# Altium PCB MCU023_MSP-EXP432E401Y.PcbDoc (part 1 of 4) (continued)
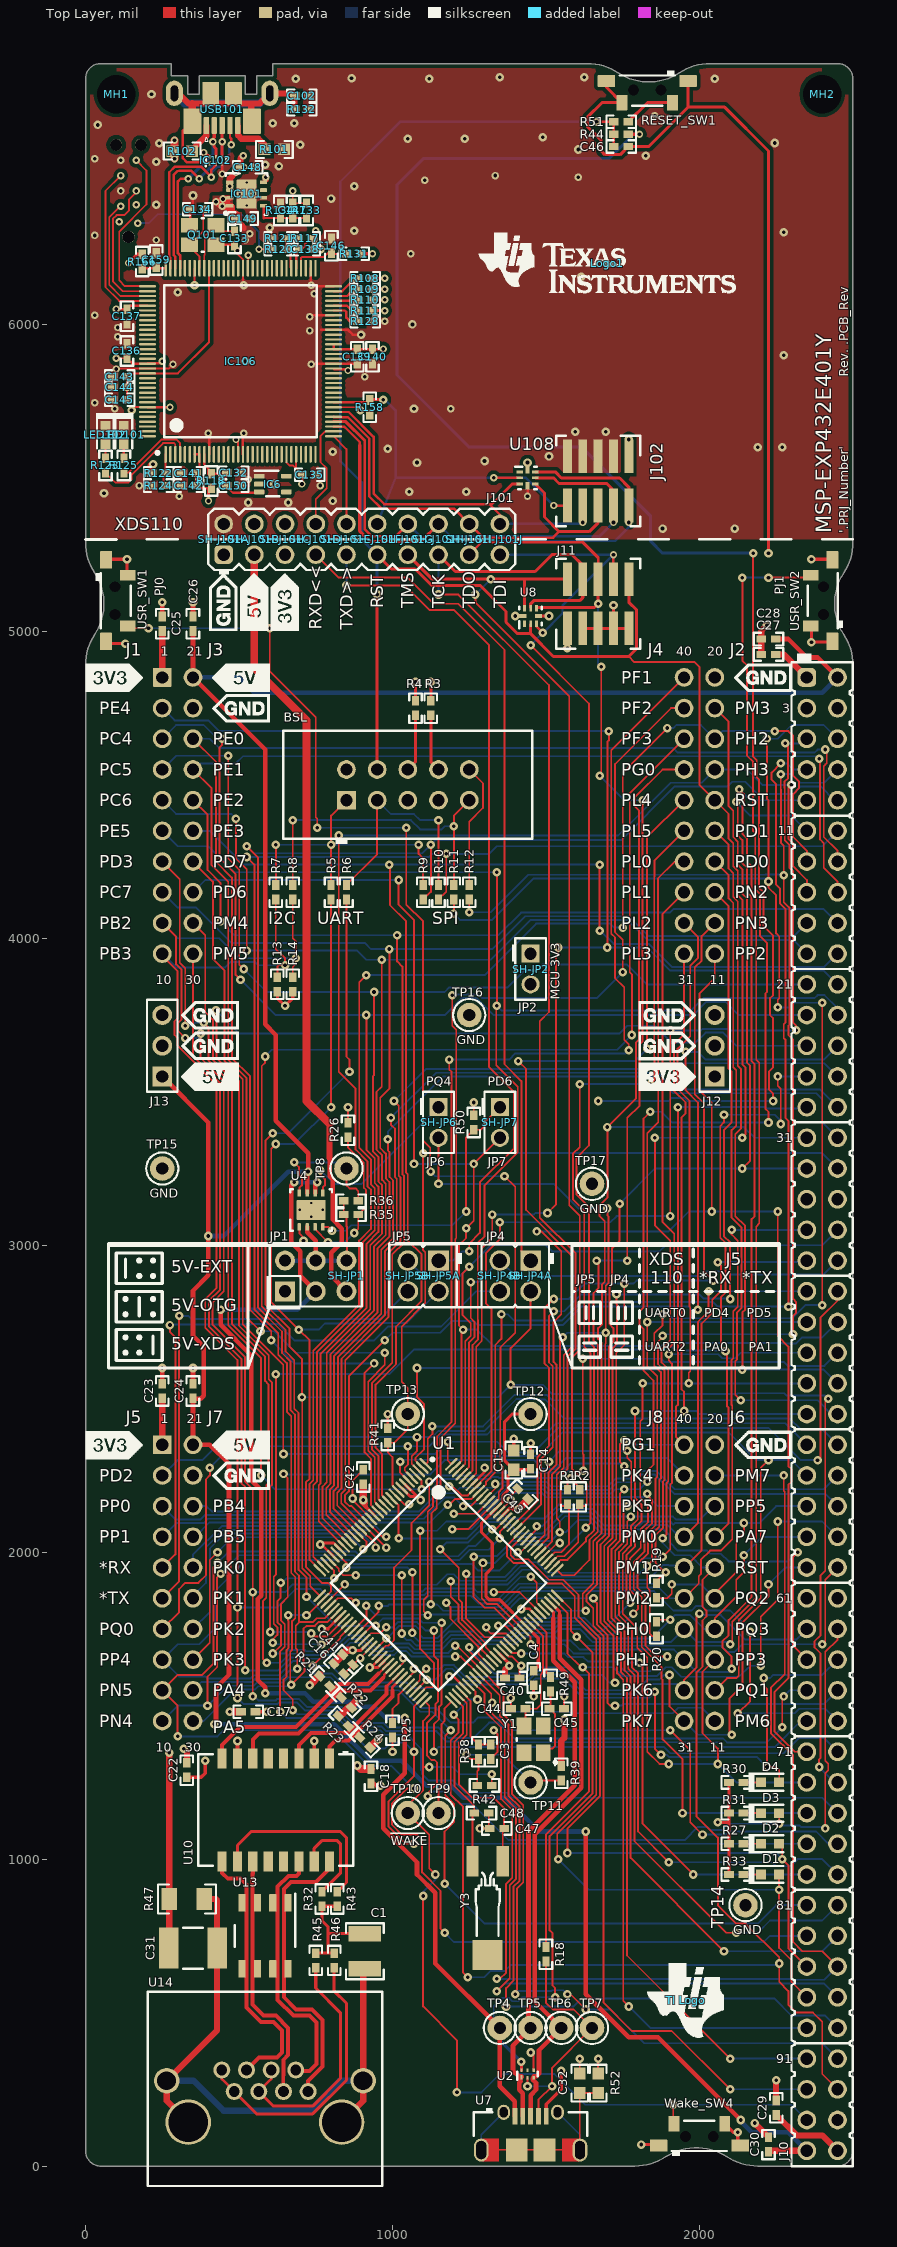
[diagram p0: Top Layer view]
## Components (designator, comment, footprint, x,y, rotation, side; value= is the part's Value field where it differs from the comment) (continued)
BSL "AWHW-10G-0202-T" Assman_AWHW-10G-0x02-T 1050,4500 r90 top
C1 "C1210C102KGRACTU" 1210_270 910,700 r270 top
C3 "GRM155R71C104KA88D" 0402 1320,1350 r90 top
C4 "GRM155R71C104KA88D" 0402 1460,1590 r90 top
C14 "GRM155R61A105KE15D" 0402 1450,2295 r90 top
C15 "GRM188R61C225KE15D" 0603 1395,2300 r90 top
C16 "GRM155R71C104KA88D" 0402 825,1620 r135 top
C17 "GRM155R71C104KA88D" 0402 530,1480 r180 top
C18 "GRM155R71C104KA88D" 0402 930,1270 r270 top
C22 "GRM155R71C104KA88D" 0402 330,1290 r90 top
C23 "GRM155R71C104KA88D" 0402 250,2525 r270 top
C24 "GRM155R71C104KA88D" 0402 350,2525 r270 top
C25 "GRM155R71C104KA88D" 0402 250,5025 r270 top
C26 "GRM155R71C104KA88D" 0402 350,5025 r270 top
C27 "GRM155R71C104KA88D" 0402 2225,4925 r0 top
C28 "GRM155R71C104KA88D" 0402 2225,4975 r0 top
C29 "GRM155R71C104KA88D" 0402 2250,190 r270 top
C30 "GRM155R71C104KA88D" 0402 2225,70 r270 top
C31 "1812GC472KAT1A" 1812_254 350,710 r180 top
C32 "GRM188R71H332KA01D" 0603 1610,270 r90 top
C40 "GRM155R71C104KA88D" 0402 1390,1590 r180 top
C41 "GRM155R71C104KA88D" 0402 855,1650 r135 top
C42 "GRM155R71C104KA88D" 0402 905,2245 r270 top
C43 "GRM155R71C104KA88D" 0402 1425,2190 r315 top
C44 "GRM1555C1H120JA01D" 0402 1410,1490 r180 top
C45 "GRM1555C1H120JA01D" 0402 1535,1490 r0 top
C46 "GRM155R71C104KA88D" 0402 1745,6580 r180 top
C47 "GRM1555C1H120JA01D" 0402 1340,1100 r180 top
C48 "GRM1555C1H120JA01D" 0402 1290,1150 r0 top
C102 "GRM155R71H332KA01D" 0402 705,6745 r0 top
C132 "GRM155R70J104KA01D" 0402 483.25,5516.94 r0 top
C133 "GRM1555C1H120JA01D" 0402 485,6280 r270 top
C134 "GRM1555C1H120JA01D" 0402 365,6375 r180 top
C135 "GRM155R71E103KA01D" 0402 730,5510 r0 top
C136 "GRM155R71E103KA01D" 0402 135,5913.62 r90 top
C137 "GRM155R71E103KA01D" 0402 135,6026.38 r270 top
C138 "GRM155R70J104KA01D" 0402 716.38,6245 r0 top
C139 "GRM155R70J104KA01D" 0402 885,5895 r270 top
C140 "GRM155R61A105KE15D" 0402 935,5895 r270 top
C141 "GRM155R71E103KA01D" 0402 336.38,5515 r180 top
C142 "GRM155R61A105KE15D" 0402 336.38,5475 r180 top
C143 "GRM155R70J104KA01D" 0402 111.38,5830 r180 top
C144 "GRM155R61A105KE15D" 0402 111.38,5795 r180 top
C145 "GRM155R60J225KE95D" 0402 111.38,5755 r180 top
C146 "GRM155R70J104KA01D" 0402 801.19,6256.19 r90 top
C147 "GRM1555C1H150JA01D" 0402 675,6371.38 r270 top
C148 "GRM155R60J225KE95D" 0402 528.21,6512.34 r0 top
C149 "GRM155R60J225KE95D" 0402 513.35,6345 r0 top
C150 "GRM155R71E103KA01D" 0402 483.25,5474.09 r0 top
C159 "GRM155R71E103KA01D" 0402 230,6210 r90 top
"CE Logo" "CE Mark" CE_Mark_5mm 765,700 r180 bottom
D1 "LTST-C190GKT" LED_LTST-C190 2230,950 r180 top
D2 "LTST-C190GKT" LED_LTST-C190 2230,1050 r180 top
D3 "LTST-C190GKT" LED_LTST-C190 2230,1150 r180 top
D4 "LTST-C190GKT" LED_LTST-C190 2230,1250 r180 top
"ESD Logo" "ESD Susceptible" ESD_Overlay_Medium 1250,700 r180 bottom
IC6 "2.5V" DCK0005A_N 610,5480 r0 top
IC101 "TPS79601DRBR" DRB0008B 525,6425 r0 top
IC102 "TPD4E004DRYR" DRY0006A 425,6535 r90 top
IC106 "TM4C129ENCPDTI3R" PDT0128A 505,5880 r90 top
J1/J3 "SSQ-110-03-T-D" BoosterPack_40pin_J1J3 300,4400 r180 bottom
J2/J4 "SSQ-110-03-T-D" BoosterPack_40pin_J2J4 2000,4400 r180 bottom
J5/J7 "SSQ-110-03-T-D" BoosterPack_40pin_J1J3 300,1900 r180 bottom
J6/J8 "SSQ-110-03-T-D" BoosterPack_40pin_J2J4 2000,1900 r180 bottom
J10 "TSW-149-07-S-D" Samtec_TSW-149-07-x-D 2400,2450 r0 top
J11 "FTSH-105-01-F-DV-K" Samtec_FTSH-105-01-x-DV-K 1670,5090 r90 top
J12 "PEC03SAAN" PEC03SAAN_Launchpad_3V3 2050,3650 r90 top
J13 "PEC03SAAN" PEC03SAAN_Launchpad_5V0 250,3650 r90 top
J101 "PEC10DAAN" SULLINS_PEC10DAAN 900,5300 r90 top
J102 "FTSH-105-01-F-DV-K" Samtec_FTSH-105-01-x-DV-K 1670,5490 r270 top
J108 "TC2050-IDC-NL-FP" Tag_TC2050-NL 140,6435 r0 bottom
JP1 "PEC03DAAN" SULLINS_PEC03DAAN 750,2900 r0 top
JP2 "PEC02SAAN" CONN_PEC02SAAN 1450,3900 r270 top
JP4 "PBC02DAAN" Sullins_PxC02DAAN 1400,2900 r270 top
JP5 "PBC02DAAN" Sullins_PxC02DAAN 1100,2900 r270 top
JP6 "PEC02SAAN" CONN_PEC02SAAN 1150,3400 r270 top
JP7 "PEC02SAAN" CONN_PEC02SAAN 1350,3400 r270 top
LED101 "LTST-C190GKT" LED_LTST-C190 125,5640 r90 top
LED102 "LTST-C190CKT" LED_LTST-C190_Red 65,5640 r90 top
Logo1 "Texas Instruments" TI_Stacked_Overlay_Small 1700,6200 r0 top
Logo2 "Pb-Free Symbol" Pb-Free_Overlay_Medium 1800,700 r180 bottom
Logo3 "FCC disclaimer" FCC_disclaimer 1250,355 r180 bottom
MH1 "MTG_NoPads" NPTH125mil 100,6750 r0 top
MH2 "MTG_NoPads" NPTH125mil 2400,6750 r0 top
Q101 "NX3225GA-16.000M-STD-CRG-1" NDK_NX3225GA 381.69,6291.5 r270 top
R1 "CRCW040210K0JNED" 0402 1570,2180 r90 top
R2 "CRCW040210K0JNED" 0402 1610,2180 r90 top
R3 "ERJ-2GE0R00X" 0402 1125,4750 r90 top
R4 "ERJ-2GE0R00X" 0402 1075,4750 r90 top
R5 "ERJ-2GE0R00X" 0402 800,4150 r270 top
R6 "ERJ-2GE0R00X" 0402 850,4150 r270 top
R7 "ERJ-2GE0R00X" 0402 619.81,4150 r270 top
R8 "ERJ-2GE0R00X" 0402 675,4150 r270 top
R9 "ERJ-2GE0R00X" 0402 1100,4150 r270 top
R10 "ERJ-2GE0R00X" 0402 1150,4150 r270 top
R11 "ERJ-2GE0R00X" 0402 1200,4150 r270 top
R12 "ERJ-2GE0R00X" 0402 1250,4150 r270 top
R13 "CRCW04023K30JNED" 0402 625,3850 r270 top
R14 "CRCW04023K30JNED" 0402 675,3850 r270 top
R18 "CRCW0402100RJNED" 0402 1500,690 r270 top
R19 "ERJ-2GE0R00X" 0402 1860,1875 r90 top
R20 "ERJ-2GE0R00X" 0402 1860,1750 r270 top
R21 "CRCW040249R9FKED" 0402 780,1580 r135 top
R22 "CRCW040249R9FKED" 0402 850,1510 r315 top
R23 "CRCW040249R9FKED" 0402 840,1450 r135 top
R24 "CRCW040249R9FKED" 0402 910,1380 r315 top
R25 "CRCW04024K87FKED" 0402 1000,1420 r270 top
R26 "CRCW0402100KJNED" 0402 855,3375 r270 top
R27 "CRCW0402390RJNED" 0402 2120,1050 r0 top
R30 "CRCW0402390RJNED" 0402 2120,1250 r0 top
R31 "CRCW0402390RJNED" 0402 2120,1150 r0 top
R32 "CRCW040275R0JNED" 0402 770,870 r90 top
R33 "CRCW0402390RJNED" 0402 2120,950 r0 top
R35 "CRCW040210K0JNED" 0402 865,3100 r180 top
R36 "CRCW0402100KJNED" 0402 865,3145 r180 top
R38 "CRCW040251R0JNED" 0402 1280,1350 r270 top
R39 "ERJ-2GE0R00X" 0402 1550,1280 r270 top
R41 "ERJ-2GE0R00X" 0402 985,2380 r270 top
R42 "CRCW04021M00JNED" 0402 1300,1240 r180 top
R43 "CRCW040275R0JNED" 0402 820,870 r90 top
R44 "CRCW040210K0JNED" 0402 1745,6620 r0 top
R45 "CRCW040275R0JNED" 0402 750,670 r270 top
R46 "CRCW040275R0JNED" 0402 810,670 r270 top
R47 "CRCW12061M00JNEA" 1206 330,870 r0 top
R49 "CRCW04022K00JNED" 0402 1515,1570 r270 top
R50 "CRCW040210K0JNED" 0402 1265,3400 r270 top
R51 "CRCW0402100RJNED" 0402 1745,6660 r180 top
R52 "CRCW06031M00JNEA" 0603 1670,270 r270 top
R101 "CRCW06030000Z0EA" 0603 615,6570 r0 top
R102 "CRCW06030000Z0EA" 0603 315,6565 r180 top
R108 "CRCW04021K00JNED" 0402 911.38,6150 r0 top
R109 "CRCW04021K00JNED" 0402 911.38,6115 r0 top
R110 "CRCW04021K00JNED" 0402 911.38,6080 r0 top
R111 "CRCW04021K00JNED" 0402 911.38,6045 r0 top
R117 "CRCW040210K0JNED" 0402 716.38,6280 r0 top
R118 "CRCW04021K00JNED" 0402 410,5490 r270 top
R120 "CRCW0402100RJNED" 0402 631.38,6245 r0 top
R121 "CRCW040210K0JNED" 0402 631.38,6280 r0 top
R122 "RC0402FR-07330KL" 0402 238.62,5515 r180 top
R123 "ERJ-2RKF4700X" 0402 65,5540.47 r270 top
R124 "RC0402FR-07220KL" 0402 238.62,5475 r0 top
R125 "ERJ-2RKF4700X" 0402 125,5540.47 r270 top
R128 "CRCW04024K87FKED" 0402 911.38,6010 r180 top
R131 "CRCW040251R0JNED" 0402 875,6230 r0 top
R132 "CRCW04021M00FKED" 0402 705,6701.1 r180 top
R133 "CRCW040251K0JNED" 0402 720,6371.38 r90 top
R134 "CRCW040230K0JNED" 0402 635,6371.38 r270 top
R158 "CRCW04023K30JNED" 0402 926.19,5730 r270 top
R166 "CRCW0402100RJNED" 0402 185,6205 r270 top
RESET_SW1 "1188E-1K2-V-TR" SW_1188E 1830,6750 r270 top
SH-J101A "SNT-100-BK-G" SNT-100-BK-G 450,5300 r90 top
SH-J101B "SNT-100-BK-G" SNT-100-BK-G 550,5300 r90 top
SH-J101C "SNT-100-BK-G" SNT-100-BK-G 650,5300 r90 top
SH-J101D "SNT-100-BK-G" SNT-100-BK-G 750,5300 r90 top
SH-J101E "SNT-100-BK-G" SNT-100-BK-G 850,5300 r90 top
SH-J101F "SNT-100-BK-G" SNT-100-BK-G 950,5300 r90 top
SH-J101G "SNT-100-BK-G" SNT-100-BK-G 1050,5300 r90 top
SH-J101H "SNT-100-BK-G" SNT-100-BK-G 1150,5300 r90 top
SH-J101I "SNT-100-BK-G" SNT-100-BK-G 1250,5300 r90 top
SH-J101J "SNT-100-BK-G" SNT-100-BK-G 1350,5300 r90 top
SH-JP1 "SNT-100-BK-G" SNT-100-BK-G 850,2900 r90 top
SH-JP2 "SNT-100-BK-G" SNT-100-BK-G 1450,3900 r90 top
SH-JP4A "SNT-100-BK-G" SNT-100-BK-G 1450,2900 r90 top
SH-JP4B "SNT-100-BK-G" SNT-100-BK-G 1350,2900 r90 top
SH-JP5A "SNT-100-BK-G" SNT-100-BK-G 1150,2900 r90 top
SH-JP5B "SNT-100-BK-G" SNT-100-BK-G 1050,2900 r90 top
SH-JP6 "SNT-100-BK-G" SNT-100-BK-G 1150,3400 r90 top
SH-JP7 "SNT-100-BK-G" SNT-100-BK-G 1350,3400 r90 top
"TI Logo" "Texas Instruments" TI_Symbol_Overlay_Medium 1955,540 r0 top
"TI Logo 2" "Texas Instruments" TI_Horizontal_Overlay_Small 1250,2700 r180 bottom
TP4 "5001" Keystone5001 1350,450 r90 top
TP5 "5001" Keystone5001 1450,450 r90 top
TP6 "5001" Keystone5001 1550,450 r90 top
TP7 "5001" Keystone5001 1650,450 r90 top
TP8 "5001" Keystone5001 850,3250 r90 top
TP9 "5001" Keystone5001 1150,1150 r90 top
TP10 "5001" Keystone5001 1050,1150 r90 top
TP11 "5001" Keystone5001 1450,1250 r90 top
TP12 "5001" Keystone5001 1450,2450 r90 top
TP13 "5001" Keystone5001 1050,2450 r90 top
TP14 "5001" Keystone5001 2150,850 r90 top
TP15 "5001" Keystone5001 250,3250 r90 top
TP16 "5001" Keystone5001 1250,3750 r90 top
TP17 "5001" Keystone5001 1650,3200 r90 top
U1 "MSP432E401YTPDTR" PDT0128A 1150,1900 r315 top
U2 "TPD4S012DRYR" DRY0006A 1440,300 r90 top
U4 "TPS2052BDRBR" DRB0008B 735,3115 r90 top
U7 "ZX62D-AB-5P8" Hirose-ZX62D-AB-5P8 1450,0 r0 top
U8 "TPD6E004RSER" RSE0008A 1450,5050 r90 top
U10 "HX1198FNLT" Pulse_HX1198FNLT 620,1160 r270 top
U13 "SLVU2.8-4.TBT" SOIC-8 585,750 r270 top
U14 "1-406541-1" TEC_1-406541-1 585,250 r0 top
U108 "TPD6E004RSER" RSE0008A 1440,5500 r0 top
USB101 "1051640001" Molex_1051640001 445,6810 r180 top
USR_SW1 "1188E-1K2-V-TR" SW_1188E 110,5100 r0 top
USR_SW2 "1188E-1K2-V-TR" SW_1188E 2390,5100 r180 top
Wake_SW4 "1188E-1K2-V-TR" SW_1188E 2000,110 r90 top
Y1 "NX3225GA-25.000M-STD-CRG-2" NDK_NX3225GA 1460,1390 r180 top
Y3 "CMR200T-32.768KDZY-UT" CFM_CMR200T 1310,860 r90 top
ZZ2 "These assemblies are ESD sensitive, ESD precautions shall be observed." AssemblyNote 2750,250 r0 top
ZZ3 "These assemblies must be clean and free from flux and all contaminants. Use of no clean flux is not acceptable." AssemblyNote 2750,150 r0 top
ZZ4 "These assemblies must comply with workmanship standards IPC-A-610 Class 2, unless otherwise specified." AssemblyNote 2750,50 r0 top
ZZ5 "Please refer to Hardware Schematic page for Jumper placement" AssemblyNote 2750,-35 r0 top

## Footprints (in the part's own frame and the unit in brackets; to place one, negate y for a bottom-side part, rotate by r counter-clockwise, add the part's x,y. Pads: shape width x height; smd on the part's side, far side on the other; paste and mask are expansions set on the pad)
0402 [mm] "0402 from SM-752 data"
  rect 0.8x0.6 smd: 1(-0.6,0) 2(0.6,0)
  silkscreen extent -1.22,-0.52 1.22,0.52, body extent -0.55,-0.3 0.55,0.3, height 0.6
0603 [mm] "0603 from SM-752 data"
  rect 1x0.95 smd: 1(-0.8,0) 2(0.8,0)
  silkscreen extent -1.52,-0.69 1.52,0.69, body extent -0.87,-0.47 0.87,0.47, height 1
1206 [mm] "1206 from SM-752 data"
  rect 1.3x1.85 smd: 1(-1.45,0) 2(1.45,0)
  silkscreen extent -2.4,-1.21 2.4,1.21, body extent -1.7,-0.9 1.7,0.9, height 1.35
1210_270 [mm] "1210"
  rect 1.3x2.7 smd: 1(-1.45,0) 2(1.45,0)
  silkscreen extent -2.32,-1.57 2.32,1.57, body extent -1.7,-1.35 1.7,1.35, height 2.7
1812_254 [mm] "SMD, 2-Leads, Body 4.8x3.4mm"
  rect 1.6x3.4 smd: 1(-2,0) 2(2,0)
  silkscreen extent -0.8,-1.7 0.8,1.7, body extent -2.4,-1.7 2.4,1.7, height 2.54
AssemblyNote [mil] "Assembly Note"
Assman_AWHW-10G-0x02-T [mm] "Header, 2.54mm, 5x2, TH"
  rect 1.55x1.55 hole 1.02: 1(-1.27,5.08)
  round 1.55 hole 1.02: 2(1.27,5.08) 3(-1.27,2.54) 4(1.27,2.54) 5(-1.27,0) 6(1.27,0) 7(-1.27,-2.54) 8(1.27,-2.54) 9(-1.27,-5.08) 10(1.27,-5.08)
  silkscreen extent -4.9,-10.31 4.47,10.31, body extent -4.47,-10.31 4.47,10.31, height 9.15
BoosterPack_40pin_J1J3 [mm] "Receptacle, 2.54mm, 10x2, TH"
  rrect6% 1.55x1.55 hole 1.02: 1(1.27,11.43)
  round 1.55 hole 1.02: 2(1.27,8.89) 3(1.27,6.35) 4(1.27,3.81) 5(1.27,1.27) 6(1.27,-1.27) 7(1.27,-3.81) 8(1.27,-6.35) 9(1.27,-8.89) 10(1.27,-11.43) 21(-1.27,11.43) 22(-1.27,8.89) 23(-1.27,6.35) 24(-1.27,3.81) 25(-1.27,1.27) 26(-1.27,-1.27) 27(-1.27,-3.81) 28(-1.27,-6.35) 29(-1.27,-8.89) 30(-1.27,-11.43)
  silkscreen extent -7.62,-12.95 7.62,12.95, body extent -2.48,-12.95 2.48,12.95, height 8.51
BoosterPack_40pin_J2J4 [mm] "Receptacle, 2.54mm, 10x2, TH"
  round 1.55 hole 1.02: 11(-1.27,-11.43) 12(-1.27,-8.89) 13(-1.27,-6.35) 14(-1.27,-3.81) 15(-1.27,-1.27) 16(-1.27,1.27) 17(-1.27,3.81) 18(-1.27,6.35) 19(-1.27,8.89) 20(-1.27,11.43) 31(1.27,-11.43) 32(1.27,-8.89) 33(1.27,-6.35) 34(1.27,-3.81) 35(1.27,-1.27) 36(1.27,1.27) 37(1.27,3.81) 38(1.27,6.35) 39(1.27,8.89) 40(1.27,11.43)
  silkscreen extent -7.62,-12.95 2.48,12.95, body extent -2.48,-12.95 2.48,12.95, height 8.51
CE_Mark_5mm [mil] "Minimum text height for CE Mark"
  silkscreen extent -138,-98 138,98
CFM_CMR200T [mm] "SMD, 3-Leads, Dia 1.9mm"
  rect 2.5x1 smd: 1(3.375,1.25) 2(3.375,-1.25)
  rect 2.5x2.5 smd: 3(-4.375,0)
  silkscreen extent -2.8,-1 2.42,1, body extent -4.62,-1.42 4.38,1.42, height 2
CONN_PEC02SAAN [mm] "SULLINS"
  rrect7% 1.5x1.5 hole 1.016: 1(-1.27,0)
  round 1.5 hole 1.016: 2(1.27,0)
  silkscreen extent -2.54,-1.52 2.54,1.27, body extent -2.54,-1.27 2.54,1.27, height 8.38
DCK0005A_N [mm] "SOT353, 5-Leads, Body 2x1.3mm, Pitch 0.65mm, Lead Span 2.1mm, IPC Medium Density"
  rrect25% 0.85x0.4 smd: 1(-1.125,0.65) 2(-1.125,0) 3(-1.125,-0.65) 4(1.125,-0.65) 5(1.125,0.65)
  silkscreen extent -1.48,-1.02 0.55,1.1, body extent -1.14,-1 1.14,1, height 0.95
DRB0008B [mm] "SON, 8-Leads, Body 3x3mm, Pitch 0.65mm, Thermal Pad 2.4x1.65mm, TI Recommended"
  rrect33% 0.6x0.3 smd: 1(-1.4,0.975) 2(-1.4,0.325) 3(-1.4,-0.325) 4(-1.4,-0.975) 5(1.4,-0.975) 6(1.4,-0.325) 7(1.4,0.325) 8(1.4,0.975)
  rrect6% 1.65x2.4 smd paste-1.2: 9(0,0)
  silkscreen extent -1.73,-1.73 1.73,1.73, body extent -1.5,-1.5 1.5,1.5, height 0.96
DRY0006A [mm] "PSON, 6-Leads, Body 1x1.45mm, Pitch 0.5mm, TI Recommended"
  rect 0.35x0.2 smd: 1(-0.275,0.5)
  rect 0.3x0.2 smd: 2(-0.3,0) 3(-0.3,-0.5) 4(0.3,-0.5) 5(0.3,0) 6(0.3,0.5)
  silkscreen extent -0.5,-0.85 0.2,0.85, body extent -0.53,-0.75 0.53,0.75, height 0.61
ESD_Overlay_Medium [mil]
  silkscreen extent -127,-109 125,110
FCC_disclaimer [mil]
Hirose-ZX62D-AB-5P8 [mm] "SMD, 5-Leads, Pitch 0.65mm"
  rect 0.4x1.35 smd: 1(-1.3,4.125) 2(-0.65,4.125) 3(0,4.125) 4(0.65,4.125) 5(1.3,4.125)
  rect 1.8x1.9 smd: 6(-1.15,1.325) 7(1.15,1.325)
  oval 1.225x1.9 hole 0.825 slot 1.5 at 90 deg: 8(-4.088,1.325) 9(4.088,1.325)
  oval 1.05x1.25 hole 0.65 slot 0.85 at 90 deg: 10(-2.225,4.45) 11(2.225,4.45)
  Top Layer region: 2.6,0.387 4,0.387 4,2.288 2.6,2.288
  Top Layer region: -4,0.387 -2.6,0.387 -2.6,2.287 -4,2.287
  silkscreen extent -4.7,2.5 4.7,4.8, body extent -4.7,-1.3 4.7,4.45, height 2.81
Keystone5001 [mil] "For Keystone 500x miniature loop terminals"
  round 80 hole 40: 1(0,0)
  silkscreen extent -52,-52 52,52, body extent -49,-49 49,49, height 182
LED_LTST-C190 [mm] "Lite-On"
  rect 0.8x0.8 smd: 1(-0.75,0) 2(0.75,0)
  silkscreen extent -1.1,-0.8 1.8,0.8, body extent -0.85,-0.45 0.85,0.45, height 0.9
LED_LTST-C190_Red [mm] "Lite-On"
  rect 0.8x0.8 smd: 1(-0.75,0) 2(0.75,0)
  silkscreen extent -1.1,-0.8 1.8,0.8, body extent -0.85,-0.45 0.85,0.45, height 0.9
Molex_1051640001 [mm] "Receptacle, USB 2.0, Micro B, 5 Pos, 0.65mm Pitch, R/A, SMT"
  rrect22% 0.45x1.38 smd: 1(1.3,4.11) 2(0.65,4.11) 3(0,4.11) 4(-0.65,4.11) 5(-1.3,4.11)
  rrect7% 1.475x2.1 smd: 6(-2.462,3.75) 11(2.462,3.75)
  rrect100% 1.4x2.1 hole 0.6 slot 1.3 at 90 deg: 7(-3.95,1.45) 10(3.95,1.45)
  rrect7% 1.375x1.9 smd: 8(-0.937,1.45) 9(0.937,1.45)
  silkscreen extent 1.2,5.1 1.4,5.4, body extent -4.1,-0.7 4.1,4.47, height 2.45
NDK_NX3225GA [mm] "NDK"
  rect 1.2x1.4 smd: 1(-0.8,1.1) 2(-0.8,-1.1) 3(0.8,-1.1) 4(0.8,1.1)
  silkscreen extent -1.9,-0.1 1.4,2, body extent -1.3,-1.65 1.3,1.65, height 0.9
NPTH125mil [mil]
  round 120 hole 125 unplated mask+15: 1(0,0)
Pb-Free_Overlay_Medium [mil]
  silkscreen extent -95,-95 95,95
PDT0128A [mm] "Thin QFP, 128-Leads, Body 14x14mm, Pitch 0.4mm"
  oval 1.4x0.2 smd: 1(-7.7,6.2) 2(-7.7,5.8) 3(-7.7,5.4) 4(-7.7,5) 5(-7.7,4.6) 6(-7.7,4.2) 7(-7.7,3.8) 8(-7.7,3.4) 9(-7.7,3) 10(-7.7,2.6) 11(-7.7,2.2) 12(-7.7,1.8) 13(-7.7,1.4) 14(-7.7,1) 15(-7.7,0.6) 16(-7.7,0.2) 17(-7.7,-0.2) 18(-7.7,-0.6) 19(-7.7,-1) 20(-7.7,-1.4) 21(-7.7,-1.8) 22(-7.7,-2.2) 23(-7.7,-2.6) 24(-7.7,-3) 25(-7.7,-3.4) 26(-7.7,-3.8) 27(-7.7,-4.2) 28(-7.7,-4.6) 29(-7.7,-5) 30(-7.7,-5.4) 31(-7.7,-5.8) 32(-7.7,-6.2) 65(7.7,-6.2) 66(7.7,-5.8) 67(7.7,-5.4) 68(7.7,-5) 69(7.7,-4.6) 70(7.7,-4.2) 71(7.7,-3.8) 72(7.7,-3.4) 73(7.7,-3) 74(7.7,-2.6) 75(7.7,-2.2) 76(7.7,-1.8) 77(7.7,-1.4) 78(7.7,-1) 79(7.7,-0.6) 80(7.7,-0.2) 81(7.7,0.2) 82(7.7,0.6) 83(7.7,1) 84(7.7,1.4) 85(7.7,1.8) 86(7.7,2.2) 87(7.7,2.6) 88(7.7,3) 89(7.7,3.4) 90(7.7,3.8) 91(7.7,4.2) 92(7.7,4.6) 93(7.7,5) 94(7.7,5.4) 95(7.7,5.8) 96(7.7,6.2)
  oval 0.2x1.4 smd: 33(-6.2,-7.7) 34(-5.8,-7.7) 35(-5.4,-7.7) 36(-5,-7.7) 37(-4.6,-7.7) 38(-4.2,-7.7) 39(-3.8,-7.7) 40(-3.4,-7.7) 41(-3,-7.7) 42(-2.6,-7.7) 43(-2.2,-7.7) 44(-1.8,-7.7) 45(-1.4,-7.7) 46(-1,-7.7) 47(-0.6,-7.7) 48(-0.2,-7.7) 49(0.2,-7.7) 50(0.6,-7.7) 51(1,-7.7) 52(1.4,-7.7) 53(1.8,-7.7) 54(2.2,-7.7) 55(2.6,-7.7) 56(3,-7.7) 57(3.4,-7.7) 58(3.8,-7.7) 59(4.2,-7.7) 60(4.6,-7.7) 61(5,-7.7) 62(5.4,-7.7) 63(5.8,-7.7) 64(6.2,-7.7) 97(6.2,7.7) 98(5.8,7.7) 99(5.4,7.7) 100(5,7.7) 101(4.6,7.7) 102(4.2,7.7) 103(3.8,7.7) 104(3.4,7.7) 105(3,7.7) 106(2.6,7.7) 107(2.2,7.7) 108(1.8,7.7) 109(1.4,7.7) 110(1,7.7) 111(0.6,7.7) 112(0.2,7.7) 113(-0.2,7.7) 114(-0.6,7.7) 115(-1,7.7) 116(-1.4,7.7) 117(-1.8,7.7) 118(-2.2,7.7) 119(-2.6,7.7) 120(-3,7.7) 121(-3.4,7.7) 122(-3.8,7.7) 123(-4.2,7.7) 124(-4.6,7.7) 125(-5,7.7) 126(-5.4,7.7) 127(-5.8,7.7) 128(-6.2,7.7)
  silkscreen extent -7.7,-6.3 6.3,6.99, body extent -8,-8 8,8, height 1.07
PEC03SAAN_Launchpad_3V3 [mm] "SULLINS"
  rect 1.65x1.65 hole 1.016: 1(-2.54,0)
  round 1.65 hole 1.016: 2(0,0) 3(2.54,0)
  silkscreen extent -3.81,-1.27 3.81,6.3, body extent -3.84,-1.3 3.84,1.3, height 8.38
PEC03SAAN_Launchpad_5V0 [mm] "SULLINS"
  rect 1.65x1.65 hole 1.016: 1(-2.54,0)
  round 1.65 hole 1.016: 2(0,0) 3(2.54,0)
  silkscreen extent -3.81,-6.31 3.81,1.27, body extent -3.84,-1.3 3.84,1.3, height 8.38
Pulse_HX1198FNLT [mm] "SMD, 16-Leads, Body 12.7x9.09mm, Pitch 1.27mm"
  rect 1.65x0.76 smd: 1(-4.255,4.445) 2(-4.255,3.175) 3(-4.255,1.905) 4(-4.255,0.635) 5(-4.255,-0.635) 6(-4.255,-1.905) 7(-4.255,-3.175) 8(-4.255,-4.445) 9(4.255,-4.445) 10(4.255,-3.175) 11(4.255,-1.905) 12(4.255,-0.635) 13(4.255,0.635) 14(4.255,1.905) 15(4.255,3.175) 16(4.255,4.445)
  silkscreen extent -4.86,-6.42 4.61,6.42, body extent -4.65,-6.42 4.65,6.42, height 6.13
RSE0008A [mm] "QFN, 8-Leads, Body 1.5x1.5mm, Pitch 0.5mm, TI Recommended"
  rect 0.55x0.25 smd: 1(-0.65,0.5) 3(-0.65,-0.5) 5(0.65,-0.5) 7(0.65,0.5)
  rect 0.55x0.2 smd: 2(-0.65,0) 6(0.65,0)
  rect 0.3x0.6 smd: 4(0,-0.65) 8(0,0.65)
  silkscreen extent -1.02,-0.92 0.77,0.92, body extent -0.77,-0.77 0.77,0.77, height 0.61
Samtec_FTSH-105-01-x-DV-K [mm] "Header(Shrouded), 1.27mm, 5x2, SMT"
  rect 2.79x0.74 smd: 1(-2.035,2.54) 2(2.035,2.54) 3(-2.035,1.27) 4(2.035,1.27) 5(-2.035,0) 6(2.035,0) 7(-2.035,-1.27) 8(2.035,-1.27) 9(-2.035,-2.54) 10(2.035,-2.54)
  silkscreen extent -3.73,-3.48 3.73,3.48, body extent -2.92,-3.18 2.92,3.17, height 6.13
Samtec_TSW-149-07-x-D [mm] "Header, 2.54mm, 49x2, TH"
  rrect50% 1.55x1.55 hole 1.02: 1(-1.27,60.96)
  round 1.55 hole 1.02: 2(1.27,60.96) 3(-1.27,58.42) 4(1.27,58.42) 5(-1.27,55.88) 6(1.27,55.88) 7(-1.27,53.34) 8(1.27,53.34) 9(-1.27,50.8) 10(1.27,50.8) 11(-1.27,48.26) 12(1.27,48.26) 13(-1.27,45.72) 14(1.27,45.72) 15(-1.27,43.18) 16(1.27,43.18) 17(-1.27,40.64) 18(1.27,40.64) 19(-1.27,38.1) 20(1.27,38.1) 21(-1.27,35.56) 22(1.27,35.56) 23(-1.27,33.02) 24(1.27,33.02) 25(-1.27,30.48) 26(1.27,30.48) 27(-1.27,27.94) 28(1.27,27.94) 29(-1.27,25.4) 30(1.27,25.4) 31(-1.27,22.86) 32(1.27,22.86) 33(-1.27,20.32) 34(1.27,20.32) 35(-1.27,17.78) 36(1.27,17.78) 37(-1.27,15.24) 38(1.27,15.24) 39(-1.27,12.7) 40(1.27,12.7) 41(-1.27,10.16) 42(1.27,10.16) 43(-1.27,7.62) 44(1.27,7.62) 45(-1.27,5.08) 46(1.27,5.08) 47(-1.27,2.54) 48(1.27,2.54) 49(-1.27,0) 50(1.27,0) 51(-1.27,-2.54) 52(1.27,-2.54) 53(-1.27,-5.08) 54(1.27,-5.08) 55(-1.27,-7.62) 56(1.27,-7.62) 57(-1.27,-10.16) 58(1.27,-10.16) 59(-1.27,-12.7) 60(1.27,-12.7) 61(-1.27,-15.24) 62(1.27,-15.24) 63(-1.27,-17.78) 64(1.27,-17.78) 65(-1.27,-20.32) 66(1.27,-20.32) 67(-1.27,-22.86) 68(1.27,-22.86) 69(-1.27,-25.4) 70(1.27,-25.4) 71(-1.27,-27.94) 72(1.27,-27.94) 73(-1.27,-30.48) 74(1.27,-30.48) 75(-1.27,-33.02) 76(1.27,-33.02) 77(-1.27,-35.56) 78(1.27,-35.56) 79(-1.27,-38.1) 80(1.27,-38.1) 81(-1.27,-40.64) 82(1.27,-40.64) 83(-1.27,-43.18) 84(1.27,-43.18) 85(-1.27,-45.72) 86(1.27,-45.72) 87(-1.27,-48.26) 88(1.27,-48.26) 89(-1.27,-50.8) 90(1.27,-50.8) 91(-1.27,-53.34) 92(1.27,-53.34) 93(-1.27,-55.88) 94(1.27,-55.88) 95(-1.27,-58.42) 96(1.27,-58.42) 97(-1.27,-60.96) 98(1.27,-60.96)
  silkscreen extent -2.54,-62.23 2.54,62.93, body extent -2.54,-62.23 2.54,62.23, height 8.38
SNT-100-BK-G [mil] "Samtec STEP model"
  round 1 on Mech3: 0(0,0)
  body extent -100,-50 100,50, height 344
SOIC-8 [mm] "duplicate of SO-8.  SOIC, 8-Leads, Body 5.0x4.0mm (max), Pitch 1.27mm, IPC Medium Density"
  rrect17% 1.45x0.6 smd: 1(-2.725,1.905) 2(-2.725,0.635) 3(-2.725,-0.635) 4(-2.725,-1.905) 5(2.725,-1.905) 6(2.725,-0.635) 7(2.725,0.635) 8(2.725,1.905)
  silkscreen extent -3.5,-2.5 0.9,2.5, body extent -3,-2.45 3,2.45, height 1.63
SULLINS_PEC03DAAN [mm] "SULLINS"
  rect 1.65x1.65 hole 1.016 mask+0: 1(-2.54,-1.27)
  round 1.65 hole 1.016 mask+0: 2(-2.54,1.27) 3(0,-1.27) 4(0,1.27) 5(2.54,-1.27) 6(2.54,1.27)
  silkscreen extent -4.06,-2.79 3.81,2.54, body extent -3.81,-2.54 3.81,2.54, height 8.38
SULLINS_PEC10DAAN [mm] "SULLINS"
  rrect50% 1.55x1.55 hole 1.016: 1(-1.27,11.43)
  round 1.55 hole 1.016: 2(1.27,11.43) 3(-1.27,8.89) 4(1.27,8.89) 5(-1.27,6.35) 6(1.27,6.35) 7(-1.27,3.81) 8(1.27,3.81) 9(-1.27,1.27) 10(1.27,1.27) 11(-1.27,-1.27) 12(1.27,-1.27) 13(-1.27,-3.81) 14(1.27,-3.81) 15(-1.27,-6.35) 16(1.27,-6.35) 17(-1.27,-8.89) 18(1.27,-8.89) 19(-1.27,-11.43) 20(1.27,-11.43)
  silkscreen extent -2.9,-12.7 2.54,12.7, body extent -2.54,-12.7 2.54,12.7, height 8.38
Sullins_PxC02DAAN [mm] "Header, 2.54mm, 2x2, TH"
  rect 1.7x1.7 hole 1.2: 1(-1.27,1.27)
  round 1.7 hole 1.2: 2(1.27,1.27) 3(-1.27,-1.27) 4(1.27,-1.27)
  silkscreen extent -2.61,-2.8 2.61,3.2, body extent -2.61,-2.8 2.61,2.8, height 8.58
SW_1188E [mm] "SMD, 4-Leads, Body 7.8x3.5mm"
  rrect10% 1x1.45 smd: 1(-1.1,3.375) 2(-1.1,-3.375)
  rrect11% 1.3x0.9 smd: 3(0.7,2.1) 4(0.7,-2.1)
  round 0 hole 0.9 unplated: _1(-0.35,-1.15) ""(-0.35,1.15)
  silkscreen extent -1.97,-2.28 0.95,2.28, body extent -2.55,-3.9 1.05,3.9, height 3.5
Tag_TC2050-NL [mil] "Footprint for Tag-Connect TC2050 No-Legs cables"
  round 31 smd paste-15.75: 1(-25,100) 2(-25,50) 3(-25,0) 4(-25,-50) 5(-25,-100) 6(25,-100) 7(25,-50) 8(25,0) 9(25,50) 10(25,100)
  round 39 hole 39 unplated: MH1(0,150) MH2(-40,-150) MH3(40,-150)
  silkscreen extent -105,-200 75,200
TEC_1-406541-1 [mm] "TE Connectivity"
  round 1.4 hole 0.89: 1(3.56,-0.18) 2(2.54,1.6) 3(1.52,-0.18) 4(0.5,1.6) 5(-0.52,-0.18) 6(-1.54,1.6) 7(-2.56,-0.18) 8(-3.58,1.6)
  round 2.1 hole 1.57: 9(8.12,0.71) 10(-8.14,0.71)
  round 3.759 hole 3.251: 11(6.34,-2.72) 12(-6.36,-2.72)
  silkscreen extent -9.69,-8 9.69,8.06, body extent -9.33,-8 9.31,7.75, height 14.8
TI_Horizontal_Overlay_Small [mil]
  silkscreen extent -545,-68 545,67
TI_Stacked_Overlay_Small [mil]
  silkscreen extent -418,-98 418,98
TI_Symbol_Overlay_Medium [mil]
  silkscreen extent -124,-122 124,120

## Part data
BSL: "Header(Shrouded), 2.54mm, 5x2, Gold, TH"
C1: "CAP, CERM, 1000 pF, 2000 V, +/- 10%, X7R, 1210"
C3 C4 C16 C17 C18 C22 C23 C24 C25 C26 C27 C28 C29 C30 C40 C41 C42 C43 C46: "CAP, CERM, 0.1 µF, 16 V, +/- 10%, X7R, 0402"
C14 C140 C142 C144: "CAP, CERM, 1 µF, 10 V, +/- 10%, X5R, 0402"
C15: "CAP, CERM, 2.2 µF, 16 V, +/- 10%, X5R, 0603"
C31: "CAP, CERM, 4700 pF, 2000 V, +/- 10%, X7R, 1812"
C32: "CAP, CERM, 3300 pF, 50 V, +/- 10%, X7R, 0603"
C44 C45 C47 C48 C133 C134: "CAP, CERM, 12 pF, 50 V, +/- 5%, C0G/NP0, 0402"
C102: "CAP, CERM, 3300 pF, 50 V, +/- 10%, X7R, 0402"
C132 C138 C139 C143 C146: "CAP, CERM, 0.1 µF, 6.3 V, +/- 10%, X7R, 0402"
C135 C136 C137 C141 C150 C159: "CAP, CERM, 0.01 µF, 25 V, +/- 10%, X7R, 0402"
C145 C148 C149: "CAP, CERM, 2.2 µF, 6.3 V, +/- 10%, X5R, 0402"
C147: "CAP, CERM, 15 pF, 50 V, +/- 5%, C0G/NP0, 0402"
D1 D2 D3 D4 LED101: "LED, Green, SMD"
"ESD Logo": library part ESD_Susceptible, "ESD Susceptible Symbol"
IC6: library part LM4040B25IDCKR, "Precision Micropower Shunt Voltage Reference, 0.2% accuracy, 2.5 V, 15 ppm / degC, 15 mA, -40 to 85 degC, 5-pin SC70 (DCK), Green (RoHS & no Sb/Br)"
IC101: "Single Output High PSRR LDO, 1 A, Adjustable 1.2 to 5.5 V Output, 2.7 to 5.5 V Input, 8-pin SON (DRB), -40 to 125 degC, Green (RoHS & no Sb/Br)"
IC102: "ESD-Protection Array for High-Speed Data Interfaces, 4 Channels, -40 to +85 degC, 6-pin SON (DRY), Green (RoHS & no Sb/Br)"
IC106: "IoT enabled High performance 32-bit ARM(R) Cortex(R)-M4F based MCU, PDT0128A (TQFP-128)"
J1/J3 J5/J7: library part BoosterPack_40pin_J1J3, "Receptacle, 2.54mm, 10x2, Tin, TH"
J2/J4 J6/J8: library part BoosterPack_40pin_J2J4, "Receptacle, 2.54mm, 10x2, Tin, TH"
J10: "Header, 2.54mm, 49x2, Gold, TH"
J11 J102: "Header (Shrouded), 1.27mm, 5x2, Gold, SMT"
J12 J13: "Header, 100mil, 3x1, Tin, TH"
J101: "Header, 2.54mm, 10x2, Tin, TH"
J108: "Footprint for Tag-Connect TC2050 No-Legs cables"
JP1: "Header, 100mil, 3x2, Tin, TH"
JP2 JP6 JP7: "Header, 100mil, 2x1, Tin, TH"
JP4 JP5: "Header, 2.54mm, 2x2, Gold, TH"
LED102: "LED, Red, SMD"
Logo1 "TI Logo" "TI Logo 2": library part TI_Logo, "Texas Instrument Corporate Signature"
Logo2: library part Pb-Free
Logo3: library part FCC_disclaimer, "FCC_disclaimer"
MH1 MH2: library part "Mounting Hole (non-standard) No Pad", "PCB Mounting Hole, No Pad"
Q101: "Crystal, 16MHz, 8pF, SMD"
R1 R2 R35 R44 R50 R117 R121: "RES, 10 k, 5%, 0.063 W, 0402"
R3 R4 R5 R6 R7 R8 R9 R10 R11 R12 R19 R20 R39 R41: "RES, 0, 5%, 0.063 W, 0402"
R13 R14 R158: "RES, 3.3 k, 5%, 0.063 W, 0402"
R18 R51 R120 R166: "RES, 100, 5%, 0.063 W, 0402"
R21 R22 R23 R24: "RES, 49.9, 1%, 0.063 W, 0402"
R25 R128: "RES, 4.87 k, 1%, 0.063 W, 0402"
R26 R36: "RES, 100 k, 5%, 0.063 W, 0402"
R27 R30 R31 R33: "RES, 390, 5%, 0.063 W, 0402"
R32 R43 R45 R46: "RES, 75, 5%, 0.063 W, 0402"
R38 R131: "RES, 51, 5%, 0.063 W, 0402"
R42: "RES, 1.0 M, 5%, 0.063 W, 0402"
R47: "RES, 1.0 M, 5%, 0.25 W, 1206"
R49: "RES, 2.0 k, 5%, 0.063 W, 0402"
R52: "RES, 1.0 M, 5%, 0.1 W, 0603"
R101 R102: "RES, 0, 5%, 0.1 W, 0603"
R108 R109 R110 R111 R118: "RES, 1.0 k, 5%, 0.063 W, 0402"
R122: "RES, 330 k, 1%, 0.0625 W, 0402"
R123 R125: "RES, 470, 1%, 0.1 W, AEC-Q200 Grade 0, 0402"
R124: "RES, 220 k, 1%, 0.0625 W, 0402"
R132: "RES, 1.00 M, 1%, 0.063 W, 0402"
R133: "RES, 51 k, 5%, 0.063 W, 0402"
R134: "RES, 30 k, 5%, 0.063 W, 0402"
RESET_SW1 USR_SW1 USR_SW2 Wake_SW4: "Switch, SPST, 0.05 A, 12 VDC, SMD"
SH-J101A SH-J101B SH-J101C SH-J101D SH-J101E SH-J101F SH-J101G SH-J101H SH-J101I SH-J101J SH-JP1 SH-JP2 SH-JP4A SH-JP4B SH-JP5A SH-JP5B SH-JP6 SH-JP7: "Shunt, 100mil, Gold plated, Black"
TP4 TP5 TP6 TP7 TP8 TP9 TP10 TP11 TP12 TP13 TP14 TP15 TP16 TP17: "Test Point, Miniature, Black, TH"
U1: library part TM4C1294NCPDTI3R, "IoT enabled High performance 32-bit ARM(R) Cortex(R)-M4F based MCU, PDT0128A (TQFP-128)"
U2: "USB ESD Solution with Power Clamp, 4 Channels, -40 to +85 degC, 6-pin SON (DRY), Green (RoHS & no Sb/Br)"
U4: "Current-Limited, Power-Distribution Switches, DRB0008B (VSON-8)"
U7: "Connector, Receptacle, Micro-USB Type AB, R/A, Bottom Mount SMT"
U8 U108: "Low-Capacitance + / - 15 kV ESD Protection Array for High-Speed Data Interfaces, 6 Channels, -40 to +85 degC, 8-pin UQFN (RSE), Green (RoHS & no Sb/Br)"
U10: library part CMP-0030426-2, "Transformer, 350 uH, SMT"
U13: "Diode, TVS, Uni, 2.8 V, 15 Vc, SOIC-8"
U14: "RJ-45, No LED, tab up, R/A, TH"
USB101: "Receptacle, USB 2.0, Micro B, 5 Position, R/A, SMT"
Y1: "Crystal, 25 MHz, 8pF, SMD"
Y3: "Crystal, 32.768 MHz,  SMD"
ZZ2 ZZ3 ZZ4: library part AssemblyNote
ZZ5: library part AssemblyNote, "These assemblies must comply with workmanship standards IPC-A-610 Class 2, unless otherwise specified."

## Via types
v1: diameter 28, hole 12, Top Layer to Bottom Layer, 442 vias
v2: diameter 24, hole 12, Top Layer to Bottom Layer, 86 vias
v3: diameter 28/28/28/28 (per signal layer), hole 12, Top Layer to Bottom Layer, 66 vias
v4: diameter 19.68, hole 7.87, Top Layer to Bottom Layer, 8 vias

## Nets (pads, with @x,y where several pads share a name; then routed paths per layer and width w, separated by ;. In a path a pad name is that pad's centre, name@x,y a point inside that pad or via, vN(x,y) a via of type N, cw(c..) or ccw(c..) an arc to the next point about the centre after c; other vN are vias at no path point)
+3V3: C23.2 C25.2 C27.2 C29.2 J1/J3.1 J5/J7.1 J10.1 J10.98 J11.1 J12.1 J101.5 JP2.1 R3.2 R4.2 R13.2 R14.2 U8.8 | length 1008.3
  Top Layer w6: v3@1400.6,5050 U8.8@1424.41,5050
  Top Layer w10: R13.2@625,3826.38 625,3805 v1(650,3780) 675,3805 R14.2@675,3826.38 ; R4.2@1075,4773.62 v1(1075,4835) ; R3.2@1125,4773.62 v1(1125,4835) ; v3(1570,4945) J11.1@1570,5009.88
  Top Layer w20: J5/J7.1@250,2350 C23.2@250,2501.38 ; J1/J3.1@250,4850 C25.2@250,5001.38 ; C27.2@2248.62,4925 2275,4925 J10.1@2350,4850 ; C29.2@2250,166.38 2316.38,100 2400,100 J10.98@2450,50
  other v3: 1400,5050